# Altium PCB 3-as-manufactured.PcbDoc (part 1 of 16)
Units mil, origin at the board's own origin, x right, y up, seen from the top; angles counter-clockwise.
Board outline 4130.55 x 4250 mil, 8 copper layers (L1_TOP, L2_GND, L3_INT, L4_PWR, L5_PWR, L6_INT, L7_GND, L8_BOT), stack 61 mil thick; 584 components, 489 nets, 2229 pads, 1894 vias.
Unrouted connection lines stored in the file: 4.
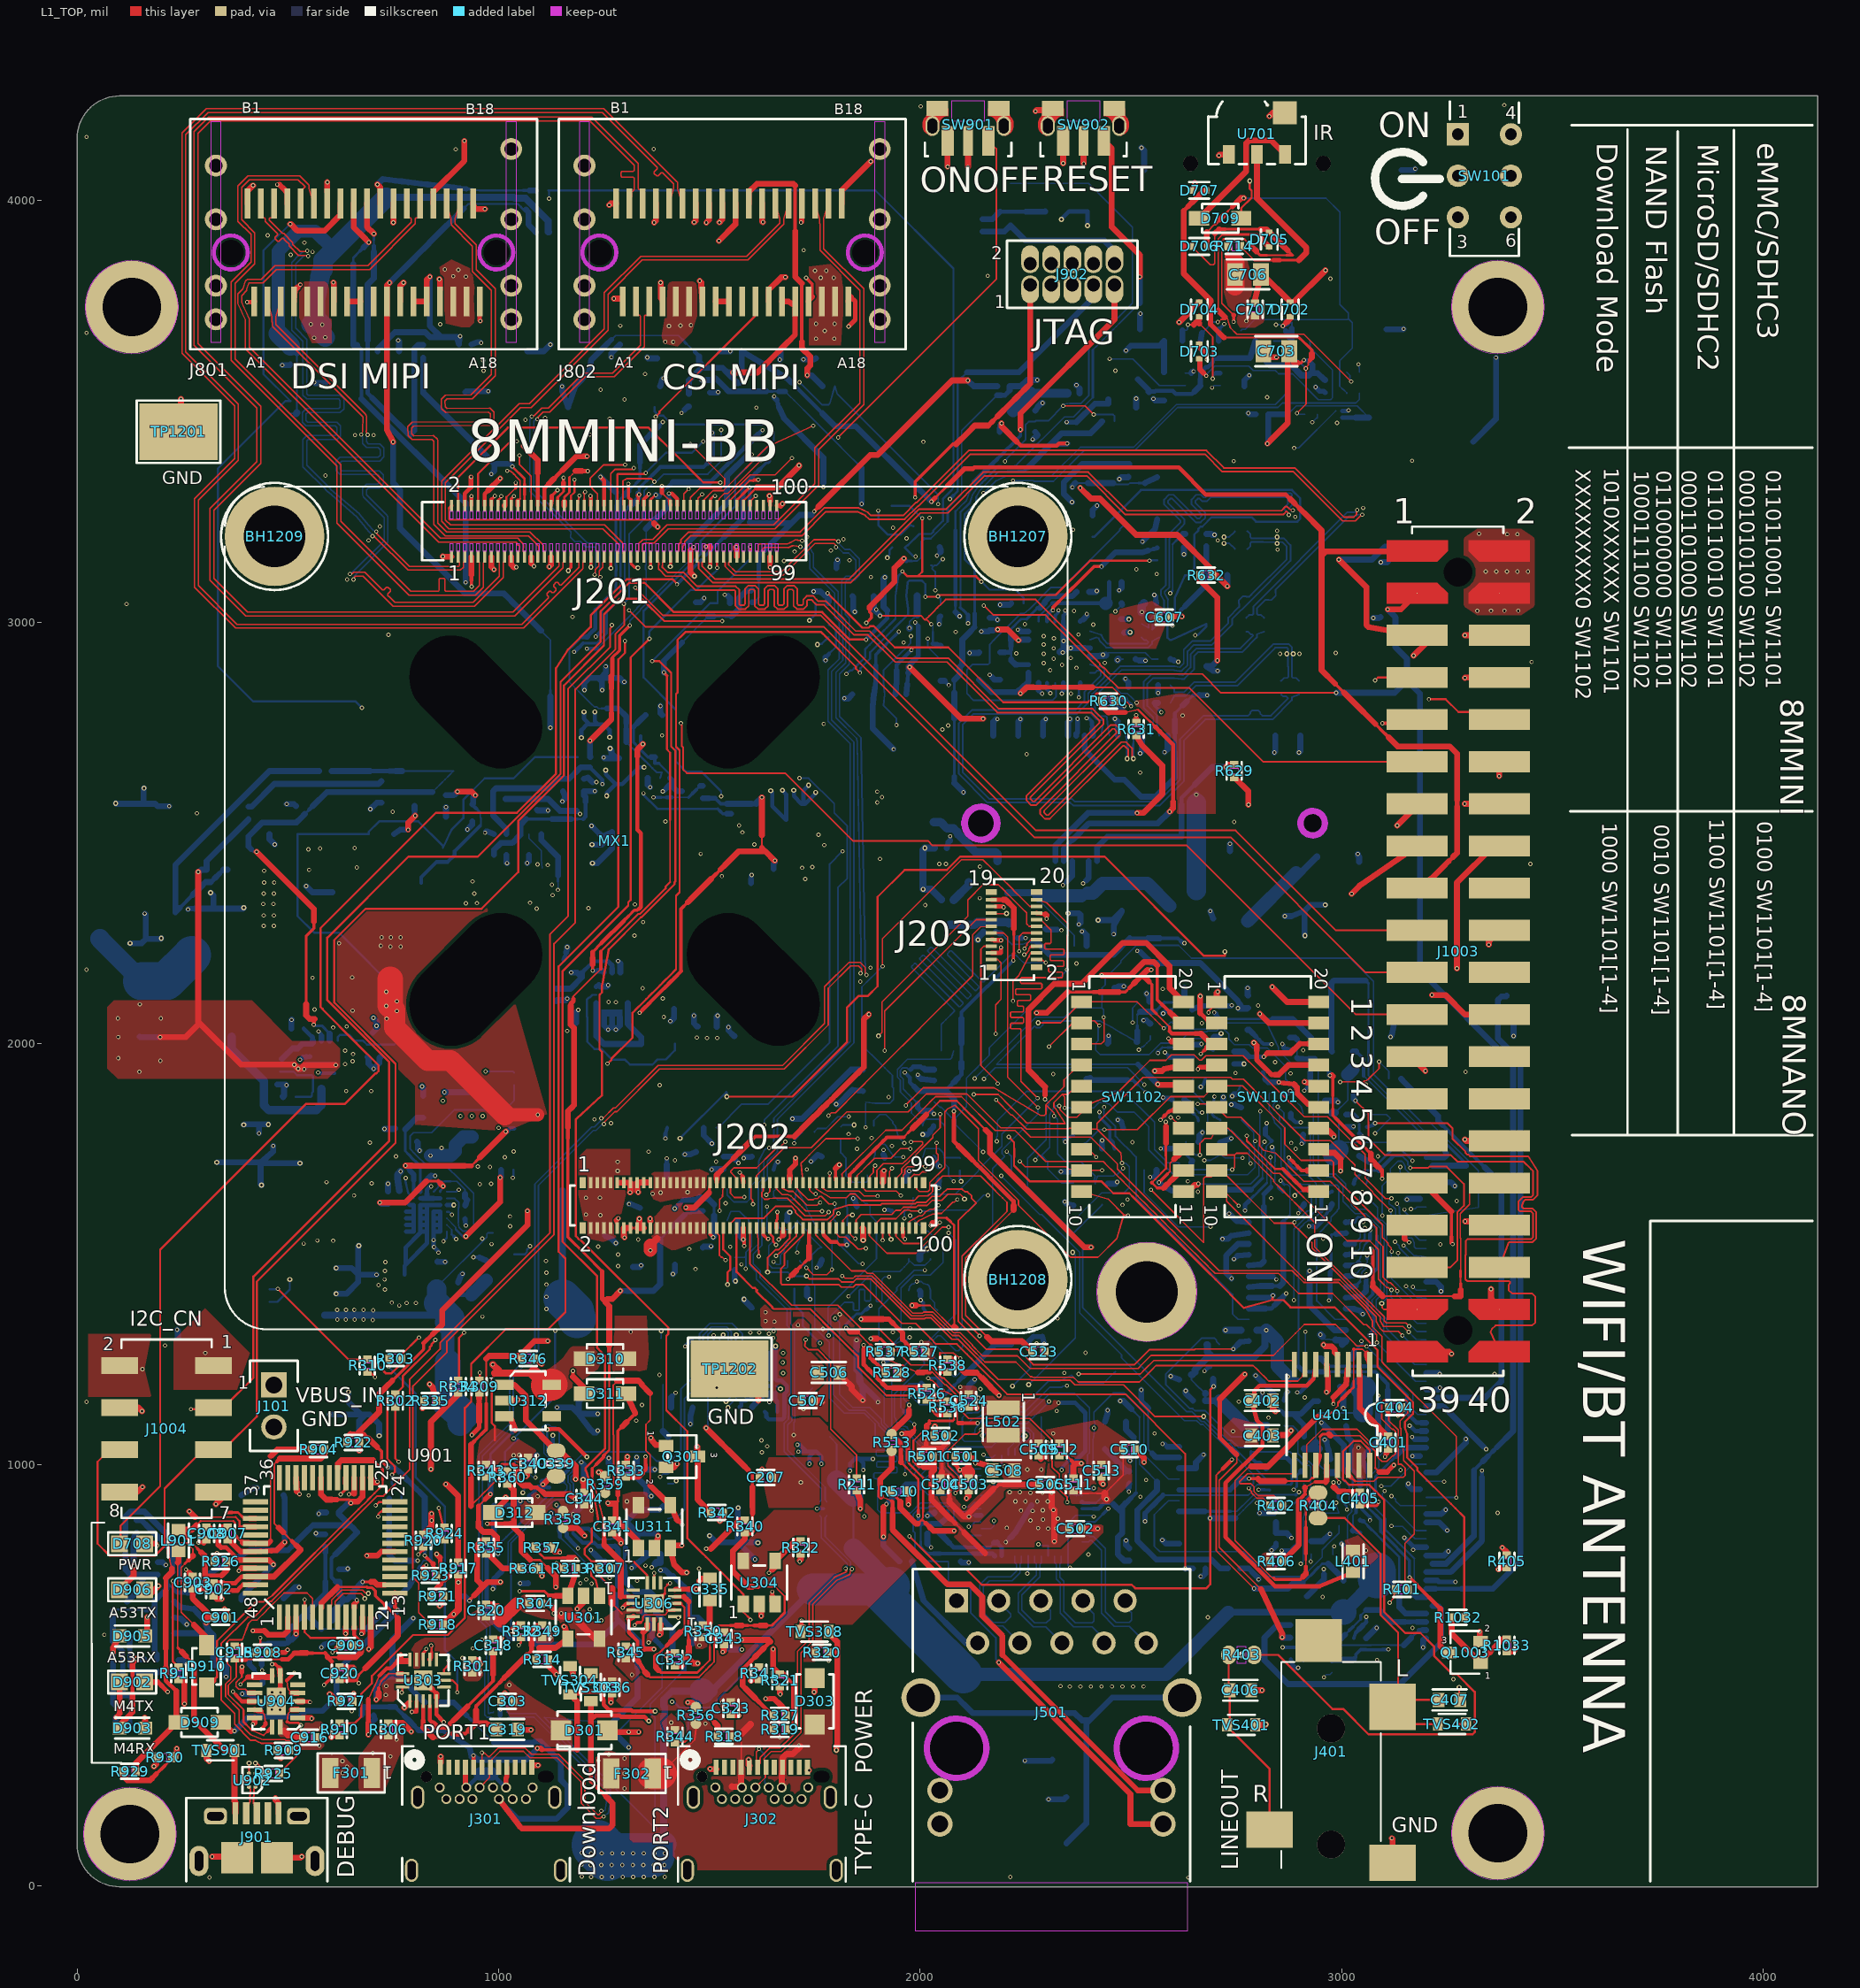
[diagram p0: L1_TOP view]
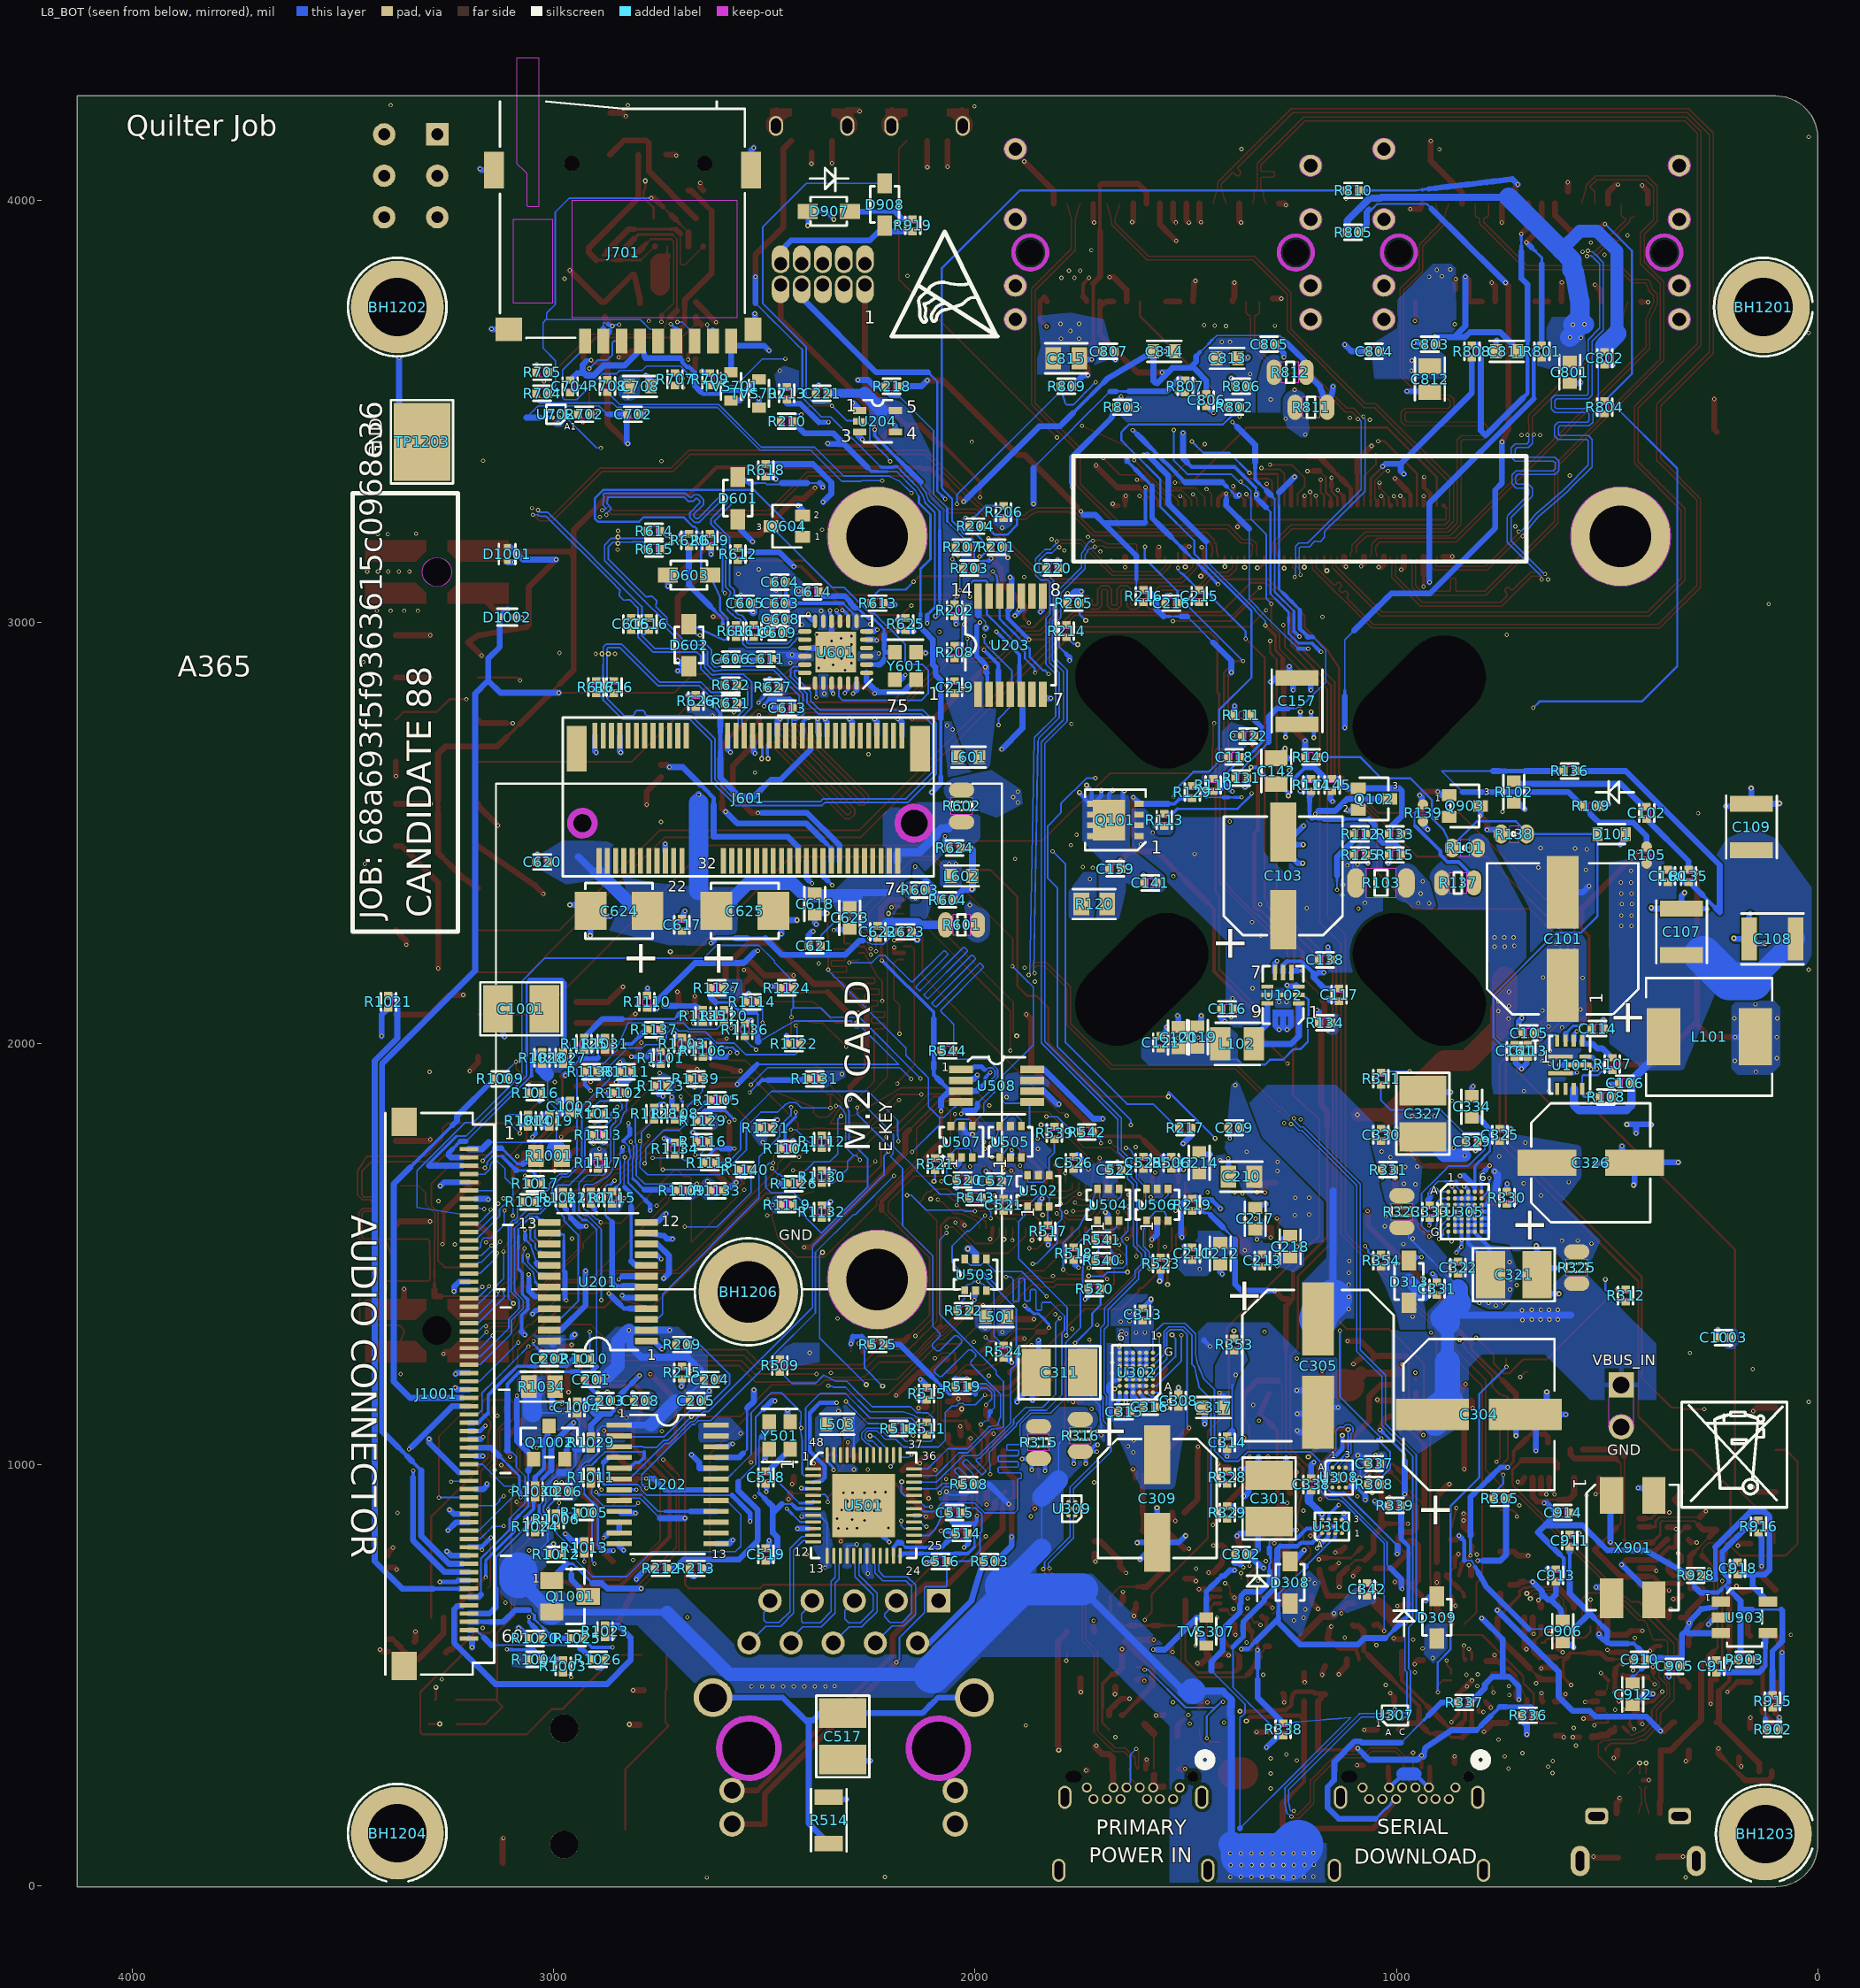
[diagram p1: L8_BOT view, seen from below]
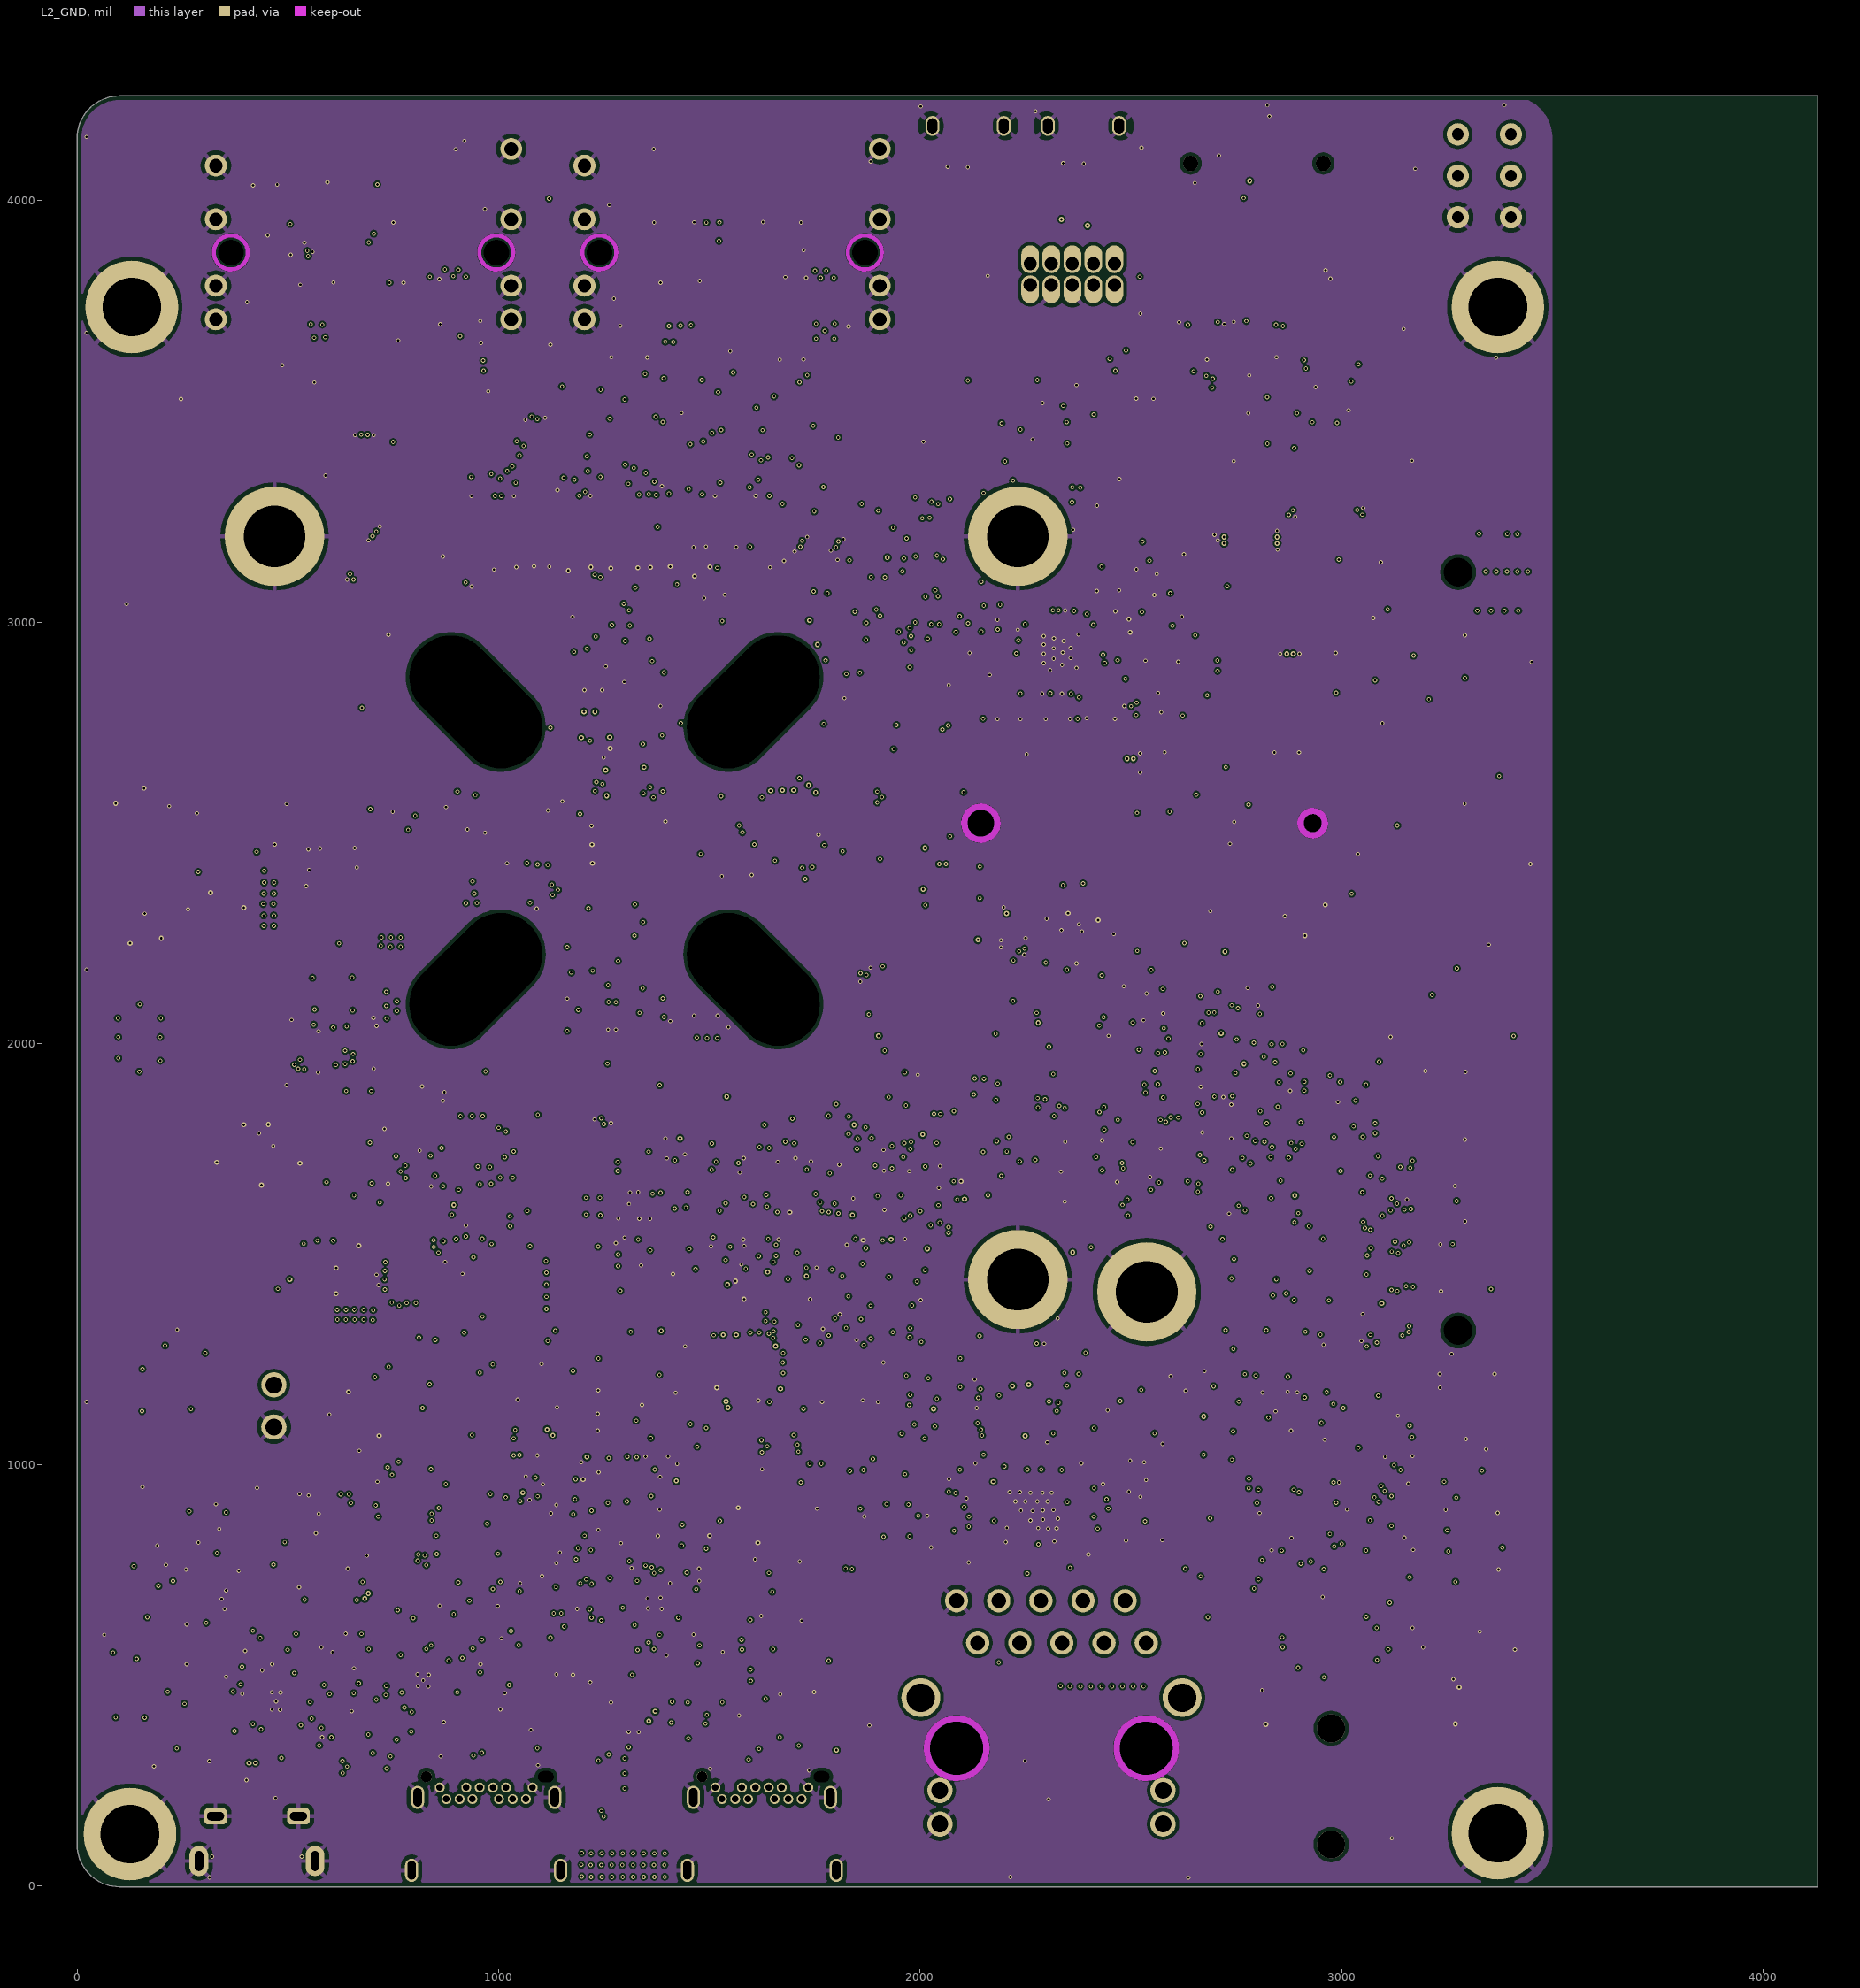
[diagram p2: L2_GND]
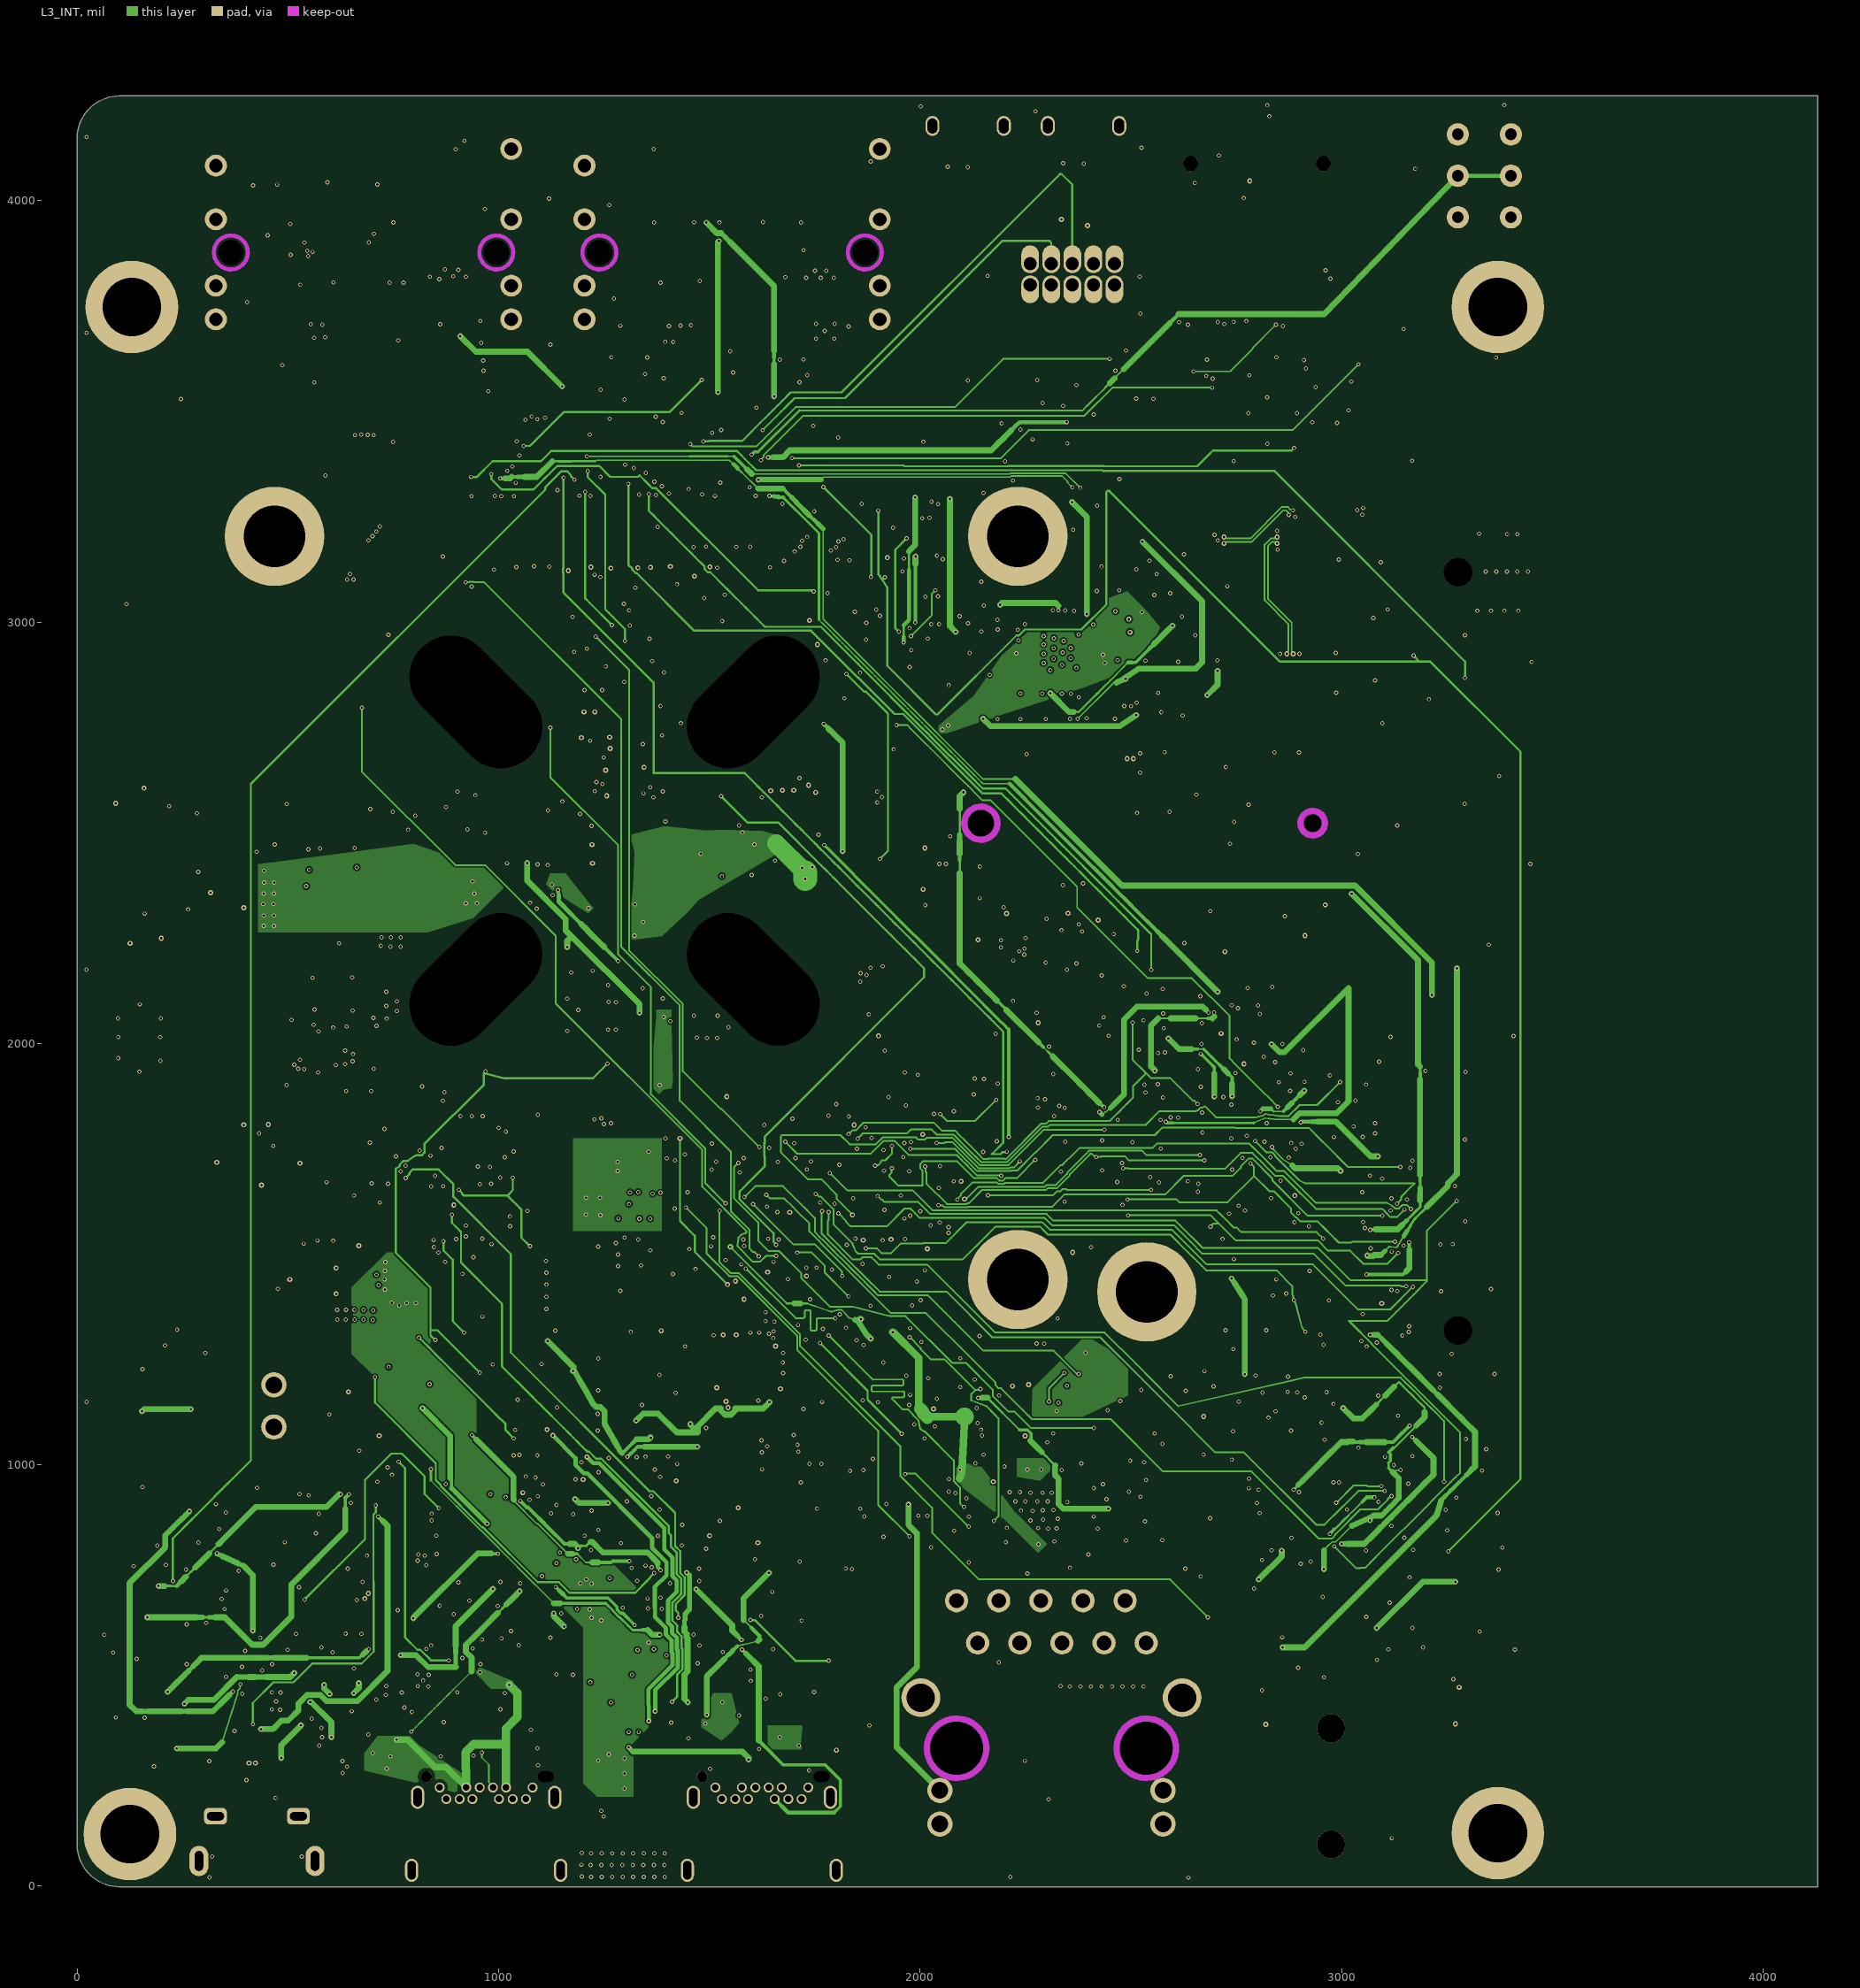
[diagram p3: L3_INT]